# Altium PCB INVERTER.PcbDoc
Units mil, origin at the board's own origin, x right, y up, seen from the top; angles counter-clockwise.
Board outline 12330 x 4035 mil, 2 copper layers (Top Layer, Bottom Layer); 179 components, 132 nets, 625 pads, 0 vias.
Unrouted connection lines stored in the file: 330.
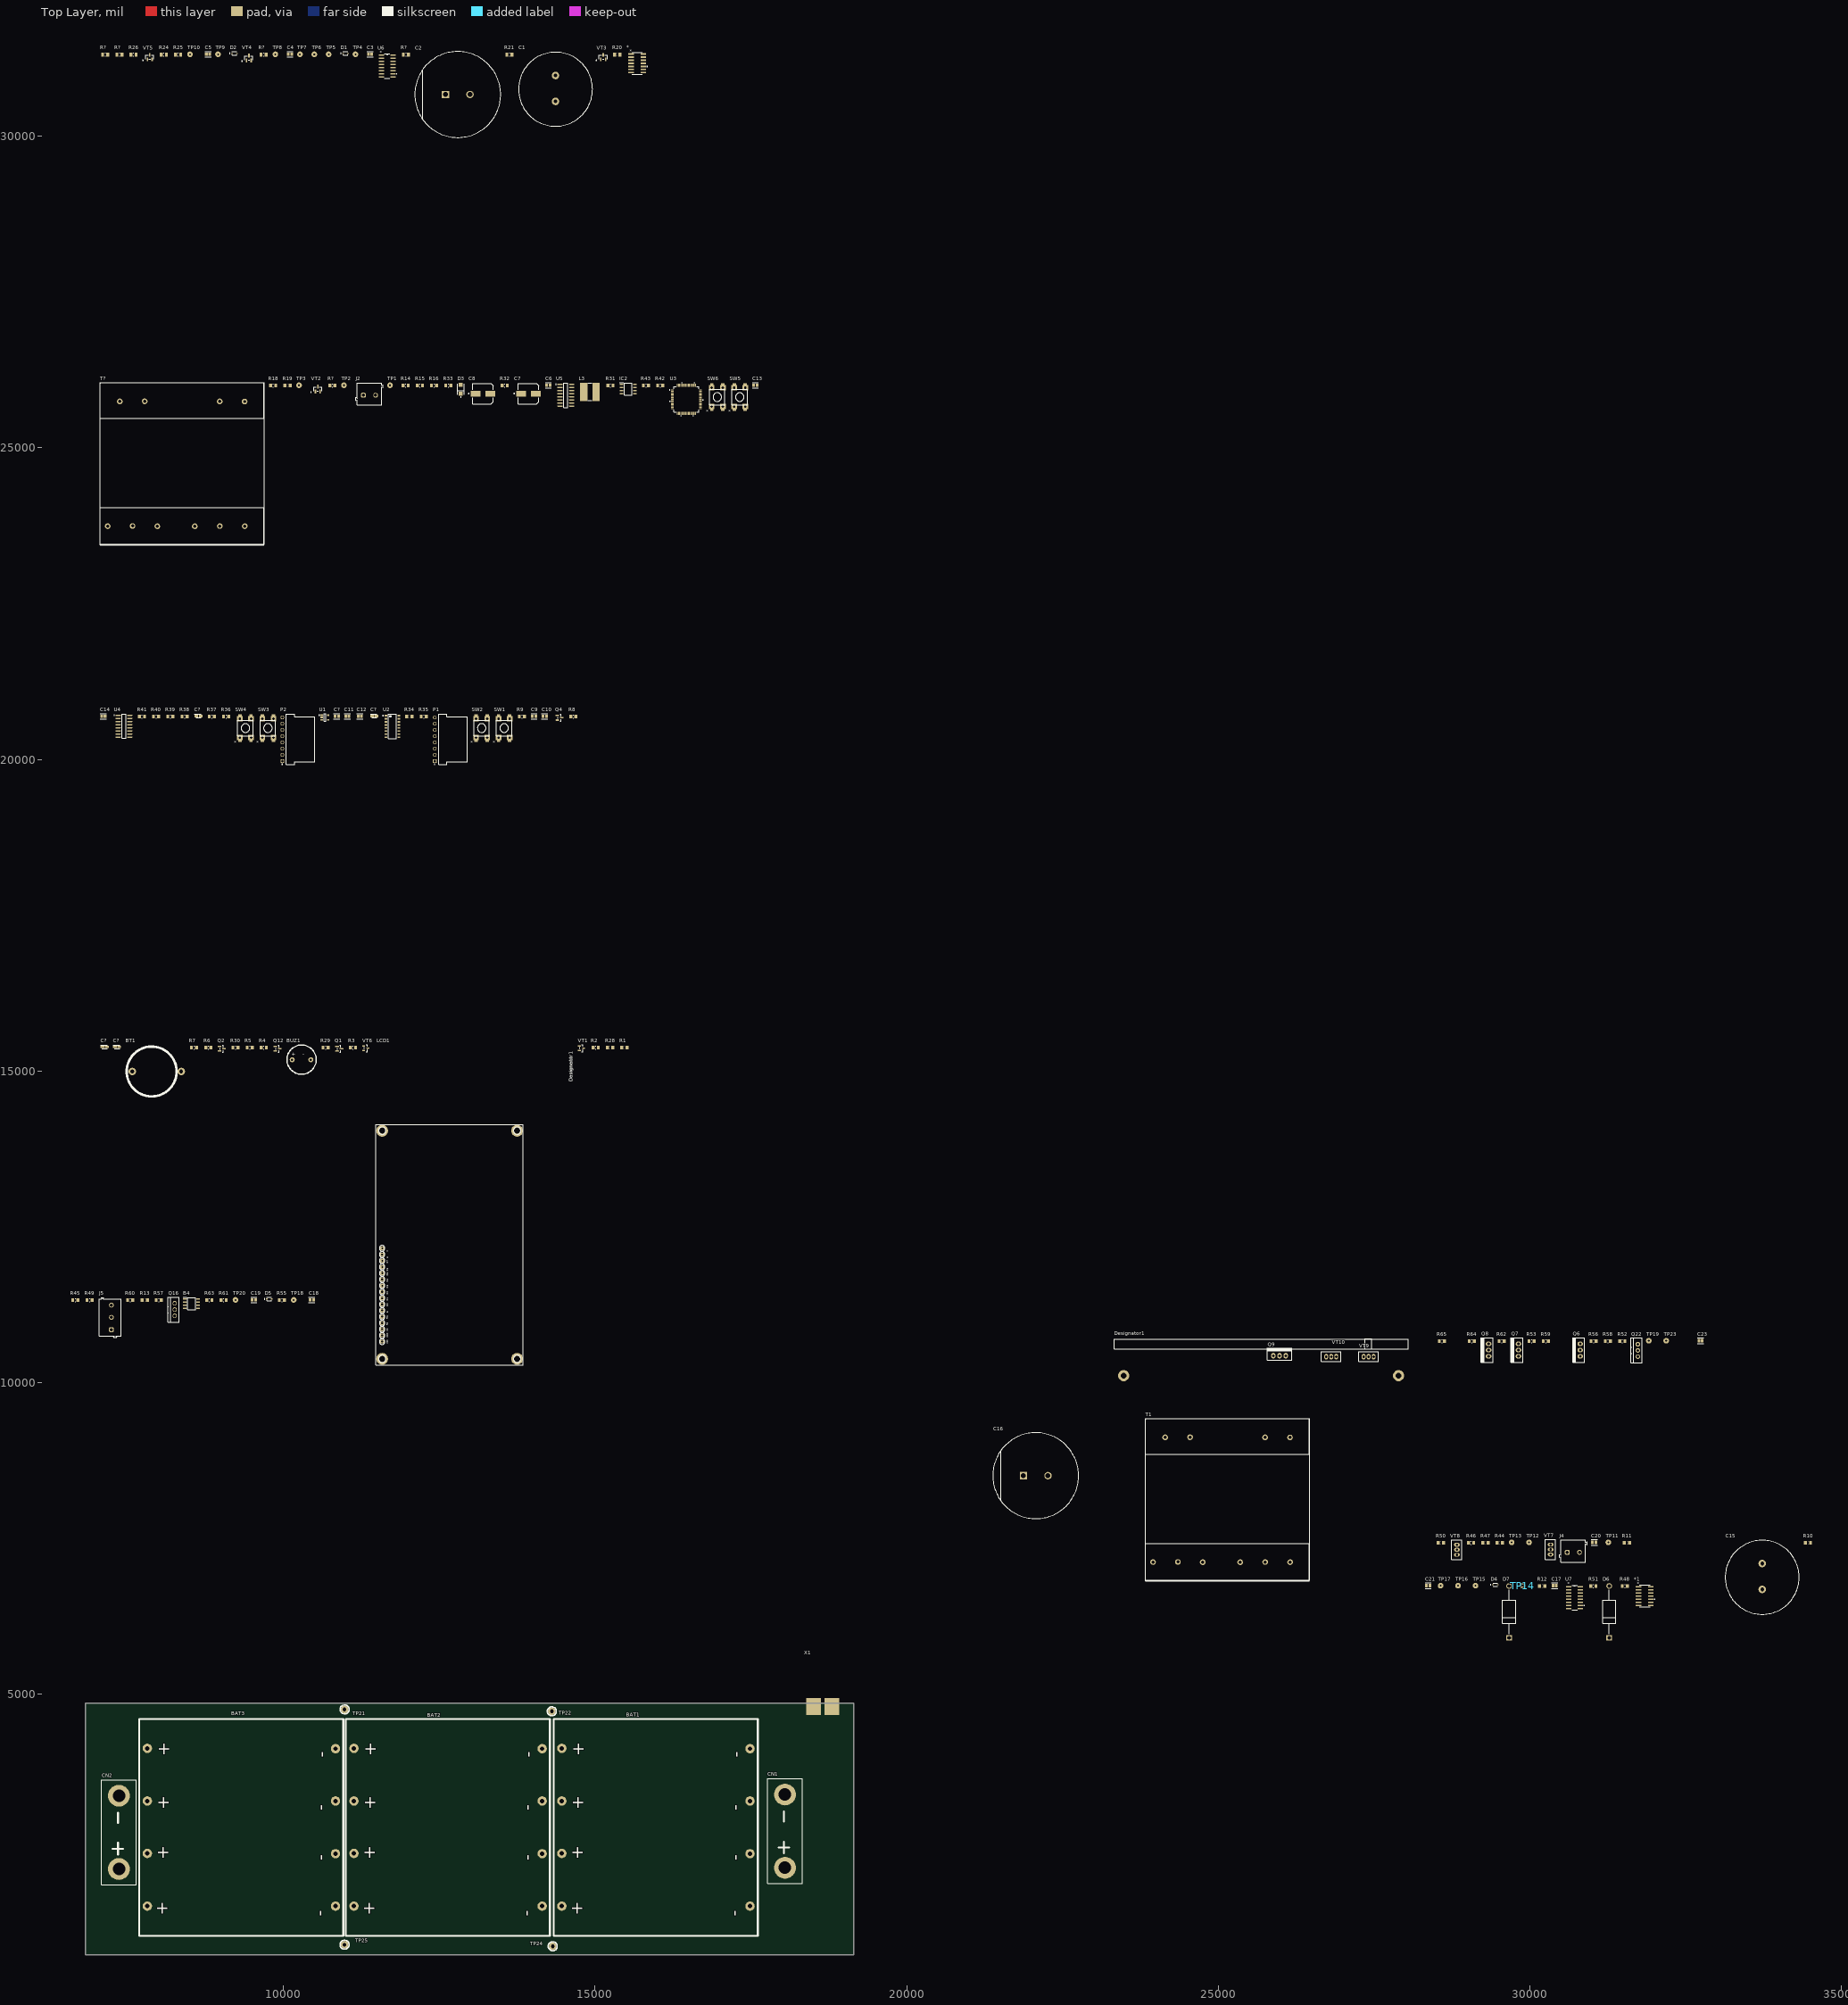
[diagram p0: Top Layer view]
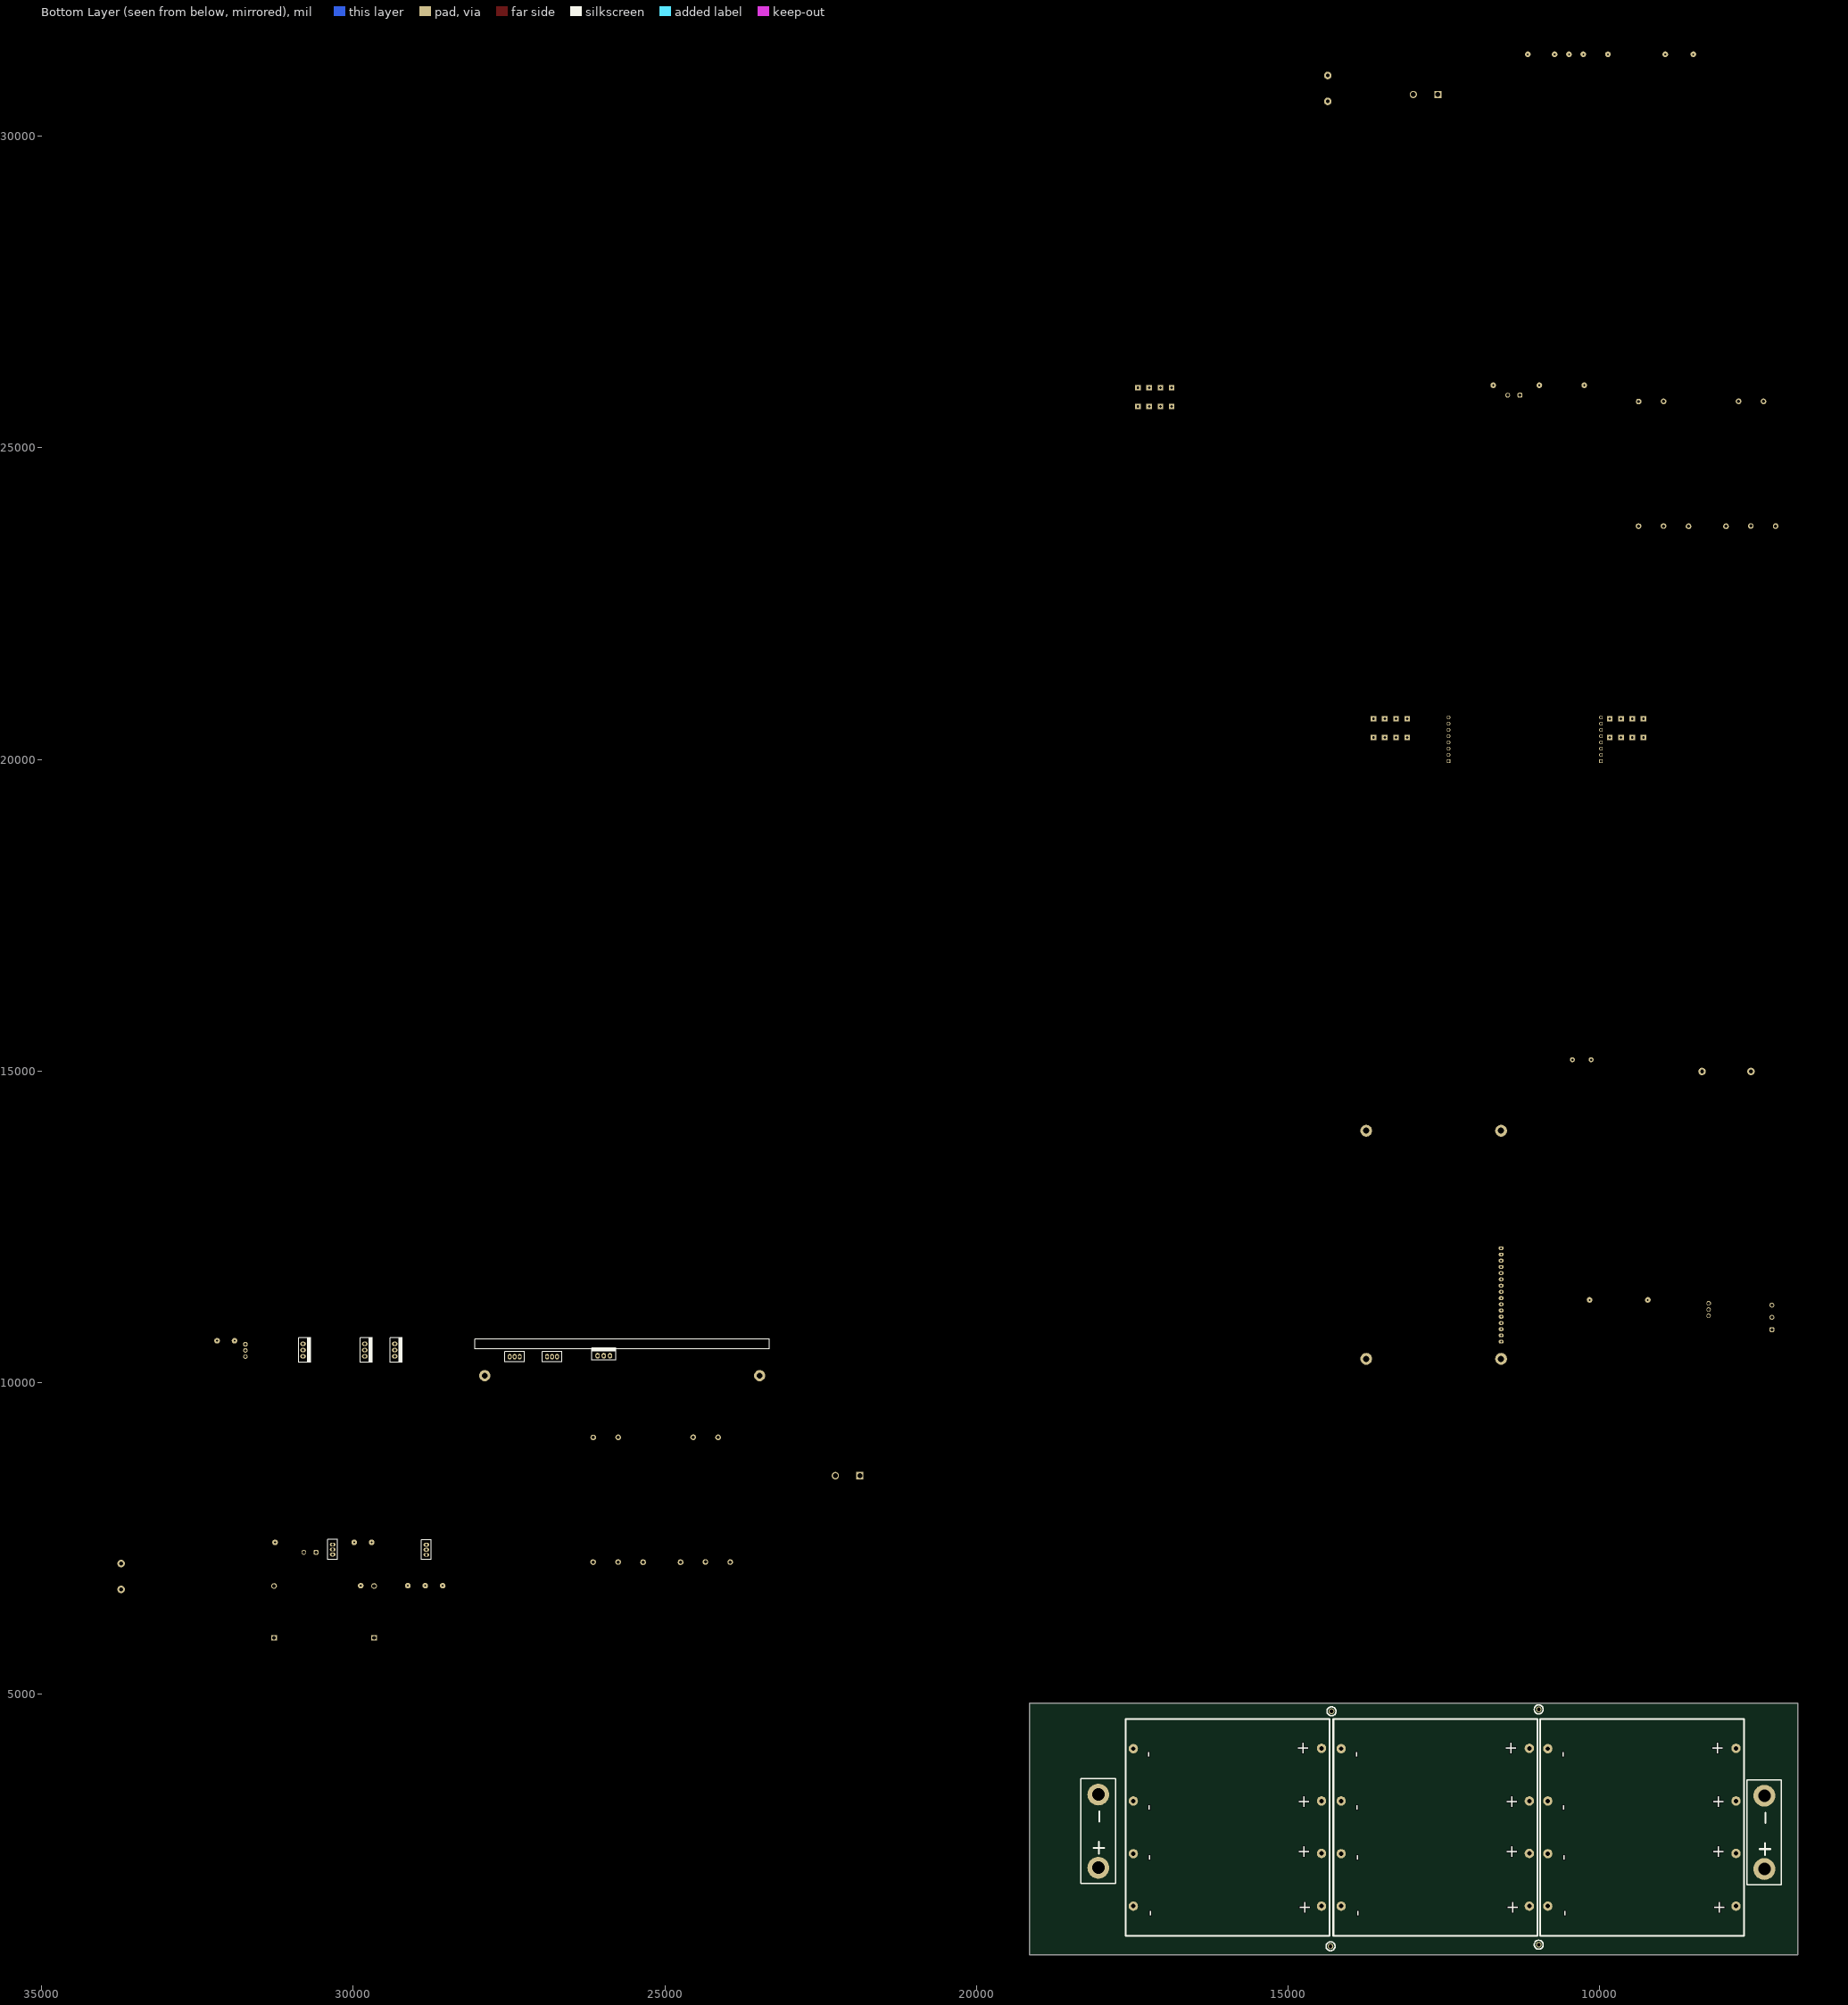
[diagram p1: Bottom Layer view, seen from below]

## Layer stack, top to bottom
Top Solder: solder mask 0.4, Solder Resist, Dk 3.5
Top Layer: signal copper 1.4
Dielectric 1: dielectric 12.6, FR-4, Dk 4.8
Bottom Layer: signal copper 1.4
Bottom Solder: solder mask 0.4, Solder Resist, Dk 3.5

## Board outline
6820,825 6820,4860 19150,4860 19150,825

## Design rules (kind name [scope] priority, off if disabled: settings)
Clearance [All] p1: gap=10 ignorepadtopadclearanceinfootprint=FALSE except(0: Arc-Hole Track-Hole SMDPad-Hole THPad-Hole Via-Hole Fill-Hole Poly-Hole Region-Hole Text-Hole)
Height [All] p1: minheight=0 maxheight=10000 prefheight=5000
PolygonConnect [All] p1: connectstyle=Relief reliefconductorwidth=10 reliefentries=4 polygonreliefangle="90 Angle" airgapwidth=10
RoomDefinition Inverter [InComponentClass('Inverter')] p1: confinementstyle=ConfineIn formatcopy=TRUE lockcomponents=FALSE outline 21976,6150 34511,6150 34511,11650 21976,11650
RoomDefinition Logger [InComponentClass('Logger')] p2: confinementstyle=ConfineIn formatcopy=TRUE lockcomponents=FALSE outline 7045,10280 17690,10280 17690,31470 7045,31470
RoomDefinition Batarey [InComponentClass('Batarey')] p3: confinementstyle=ConfineIn formatcopy=TRUE lockcomponents=FALSE outline 6315,235 19920,235 19920,5445 6315,5445
RoutingVias [All] p1: holewidth=28 width=50 viastyle="Through Hole" minholewidth=28 minwidth=50 maxholewidth=28 maxwidth=50
SolderMaskExpansion [All] p1: expansion=4 istentingtop=FALSE
Width [All] p1: maxlimit=10 minlimit=10 preferedwidth=10
29 further rules are at their usual default settings.

## Classes and differential pairs
component class Logger: * BT1 BUZ1 C1 C2 C3 C4 C5 C6 C7 C8 C9 C10 C11 C12 C13 C14 C? D1 D2 D3 IC1 IC2 J2 J3 L1 L2 L3 LCD1 LED1 LED2 LED3 LED4 P1 P2 Q1 Q2 Q3 Q4 Q5 Q10 Q11 Q12 Q? R1 R2 R3 R4 R5 R6 R7 R8 R9 R14 R15 R16 R17 R18 R19 R20 R21 R22 R23 R24 R25 R26 R27 R28 R29 R30 R31 R32 R33 R34 R35 R36 R37 R38 R39 R40 R41 R42 R43 R? SW1 SW2 SW3 SW4 SW5 SW6 T? TP1 TP2 TP3 TP4 TP5 TP6 TP7 TP8 TP9 TP10 U1 U2 U3 U4 U5 U6 VD1 VT1 VT2 VT3 VT4 VT5 VT6
component class Batarey: BAT1 BAT2 BAT3 CN1 CN2 TP21 TP22 TP24 TP25 X1
component class Inverter: *1 B4 C15 C16 C17 C18 C19 C20 C21 C23 D4 D5 D6 D7 IC? J4 J5 J? L? Q6 Q7 Q8 Q9 Q16 Q22 Q? R10 R11 R12 R13 R44 R45 R46 R47 R48 R49 R50 R51 R52 R53 R55 R56 R57 R58 R59 R60 R61 R62 R63 R64 R65 T1 TP11 TP12 TP13 TP14 TP15 TP16 TP17 TP18 TP19 TP20 TP23 U7 VD? VT7 VT8 VT9 VT10

## Components (designator, comment, footprint, x,y, rotation, side; value= is the part's Value field where it differs from the comment)
* "LM324AD_SOIC14" D14-M 15675,31170 r0 top
*1 "LM324AD_SOIC14" D14-M 31839.63,6580 r0 top
B4 "IR2101SPBF" SOIC127P600X175-8N 8524.63,11270 r0 top
BAT1 "21700_Bat" 21700_BAT 15295,2070 r90 top
BAT2 "21700_Bat" 21700_BAT 11960,2070 r90 top
BAT3 "21700_Bat" 21700_BAT 8645,2070 r90 top
BT1 "CR2032_BAT" CR2032_BAT 7885,14995 r0 top
BUZ1 "BUZZER" BUZZER 10300,15280 r0 top
C1 "Cap_Vishay_MAL219390101E3_eec" "CAP 330uF 450V" 14010,30990 r0 top value=220μF
C2 "Cap_Vishay_MAL219390101E3_eec" Vishay_MAL219390101E3_0 12795,30670 r0 top value=220μF
C3 "100n" KEMET_C0805C-DN_IPC_C 11390,31315 r0 top
C4 "1000pF" KEMET_C0805C-DN_IPC_C 10105,31315 r0 top
C5 "1uF" KEMET_C0805C-DN_IPC_C 8790,31315 r0 top
C6 "470pF" KEMET_C0805C-DN_IPC_C 14250,26005 r0 top
C7 "470uF" Nichicon_0_MFG 13930,25870 r0 top
C8 "470uF" Nichicon_0_MFG 13200,25870 r0 top
C9 "0,1uF" KEMET_C0805C-DN_IPC_C 14020,20695 r0 top
C10 "0,1uF" KEMET_C0805C-DN_IPC_C 14190,20695 r0 top
C11 "0,1uF" KEMET_C0805C-DN_IPC_C 11025,20695 r0 top
C12 "0,1uF" KEMET_C0805C-DN_IPC_C 11225,20695 r0 top
C13 "0,1uF" KEMET_C0805C-DN_IPC_C 17570,26005 r0 top
C14 "0,1uF" KEMET_C0805C-DN_IPC_C 7110,20695 r0 top
C15 "Cap_Vishay_MAL219390101E3_eec" "CAP 330uF 450V" 33369.63,7115 r0 top value=220μF
C16 "Cap_Vishay_MAL219390101E3_eec" Vishay_MAL219390101E3_0 22069.15,8510 r0 top value=220μF
C17 "100n" KEMET_C0805C-DN_IPC_C 30394.63,6745 r0 top
C18 "1000pF" KEMET_C0805C-DN_IPC_C 10454.63,11330 r0 top
C19 "1uF" KEMET_C0805C-DN_IPC_C 9524.63,11330 r0 top
C20 "1uF" KEMET_C0805C-DN_IPC_C 31029.63,7440 r0 top
C21 "0.01uF" KEMET_C0805C-DN_IPC_C 28364.63,6745 r0 top
C23 "1uF" KEMET_C0805C-DN_IPC_C 32734.63,10675 r0 top
C? "TAJR225K016RNJ" CAPPM2014X140N 11460,20700 r0 top
C? "470pF" KEMET_C0805C-DN_IPC_C 10855,20695 r0 top
C? "2.2uF" CAPPM2014X140N 7330,15390 r0 top
C? "2.2uF" CAPPM2014X140N 7130,15390 r0 top
C? "TAJR225K016RNJ" CAPPM2014X140N 8635,20700 r0 top
CN1 "BAT_CON" Batarey_connector 18025,2200 r90 top
CN2 "BAT_CON" Batarey_connector 7340,2180 r90 top
D1 "1N4148W-7-F" Diodes_Inc._SOD323F_MFG 10995,31330 r0 top
D2 "1N4148W-7-F" Diodes_Inc._SOD323F_MFG 9215,31330 r0 top
D3 "Diode_Vishay_SS16-E3-61T_eec" Vishay_SS16-E3-61T_0 12845,25940 r90 top
D4 "1N4148W-7-F" Diodes_Inc._SOD323F_MFG 29444.63,6760 r0 top
D5 "1N4148W-7-F" Diodes_Inc._SOD323F_MFG 9774.63,11345 r0 top
D6 "1N5408-E3-54" Vishay_Semiconductor_0_Recommended_Land_Pattern 31269.63,6325 r90 top
D7 "1N5408-E3-54" Vishay_Semiconductor_0_Recommended_Land_Pattern 29664.63,6325 r90 top
Designator1 "Comment" PCBComponent_1 25870,10595 r180 top
IC2 "MC34063ABD-TR" SOIC127P600X175-8N 15530,25945 r0 top
J2 "691101710002" 691101710002 11380,25865 r0 top
J4 "691101710002" 691101710002 30694.63,7300 r0 top
J5 "691101710003" 691101710003 7219.63,11050 r90 top
L3 "7445720" WE-PD2-L 14915,25900 r0 top
LCD1 "LCD" LCD20x4 10230,23120 r90 top
P1 "61900811021" 61900811021 12720,20325 r90 top
P2 "61900811021" 61900811021 10275,20325 r90 top
Q1 "SBC847BLT1G" On_Semiconductor_318-08_IPC_B 10895,15360 r0 top
Q2 "SBC847BLT1G" On_Semiconductor_318-08_IPC_B 9010,15360 r0 top
Q4 "SBC847BLT1G" On_Semiconductor_318-08_IPC_B 14430,20670 r0 top
Q6 "IRF740PBF" MOSFET_BEND_rad 30759.63,10520 r90 top
Q7 "IRF740PBF" MOSFET_BEND_rad 29769.63,10520 r90 top
Q8 "IRF740PBF" MOSFET_BEND_rad 29289.63,10520 r90 top
Q9 "IRF740PBF" MOSFET_BEND_rad 25975,10480 r0 top
Q12 "SBC847BLT1G" On_Semiconductor_318-08_IPC_B 9905,15360 r0 top
Q16 "IRF740PBF" TO-220 8254.63,11175 r90 top
Q22 "IRF740PBF" TO-220 31729.63,10520 r90 top
R1 "10k" Vishay_CRCW0805-e3_IPC_A 15470,15380 r0 top
R2 "300" Vishay_CRCW0805-e3_IPC_A 15010,15380 r0 top
R3 "1k" Vishay_CRCW0805-e3_IPC_A 11115,15380 r0 top
R4 "10k" Vishay_CRCW0805-e3_IPC_A 9685,15380 r0 top
R5 "1k" Vishay_CRCW0805-e3_IPC_A 9460,15380 r0 top
R6 "10k" Vishay_CRCW0805-e3_IPC_A 8795,15380 r0 top
R7 "300" Vishay_CRCW0805-e3_IPC_A 8565,15380 r0 top
R8 "1k" Vishay_CRCW0805-e3_IPC_A 14650,20690 r0 top
R9 "10k" Vishay_CRCW0805-e3_IPC_A 13825,20690 r0 top
R10 "10k" Vishay_CRCW0805-e3_IPC_A 34459.63,7435 r0 top
R11 "22" Vishay_CRCW0805-e3_IPC_A 31554.63,7435 r0 top
R12 "1M" Vishay_CRCW0805-e3_IPC_A 30194.63,6740 r0 top
R13 "10" Vishay_CRCW0805-e3_IPC_A 7774.63,11325 r0 top
R14 "10k" Vishay_CRCW0805-e3_IPC_A 11960,26000 r0 top
R15 "10k" Vishay_CRCW0805-e3_IPC_A 12190,26000 r0 top
R16 "10k" Vishay_CRCW0805-e3_IPC_A 12415,26000 r0 top
R18 "22" Vishay_CRCW0805-e3_IPC_A 9835,26000 r0 top
R19 "22" Vishay_CRCW0805-e3_IPC_A 10065,26000 r0 top
R20 "22" Vishay_CRCW0805-e3_IPC_A 15355,31310 r0 top
R21 "10k" Vishay_CRCW0805-e3_IPC_A 13625,31310 r0 top
R24 "22" Vishay_CRCW0805-e3_IPC_A 8080,31310 r0 top
R25 "22" Vishay_CRCW0805-e3_IPC_A 8310,31310 r0 top
R26 "10k" Vishay_CRCW0805-e3_IPC_A 7595,31310 r0 top
R28 "10k" Vishay_CRCW0805-e3_IPC_A 15240,15380 r0 top
R29 "1k" Vishay_CRCW0805-e3_IPC_A 10675,15380 r0 top
R30 "10k" Vishay_CRCW0805-e3_IPC_A 9230,15380 r0 top
R31 "0.33" Vishay_CRCW0805-e3_IPC_A 15245,26000 r0 top
R32 "3.6k" Vishay_CRCW0805-e3_IPC_A 13550,26000 r0 top
R33 "1.2k" Vishay_CRCW0805-e3_IPC_A 12645,26000 r0 top
R34 "10k" Vishay_CRCW0805-e3_IPC_A 12020,20690 r0 top
R35 "10k" Vishay_CRCW0805-e3_IPC_A 12250,20690 r0 top
R36 "300" Vishay_CRCW0805-e3_IPC_A 9080,20690 r0 top
R37 "300" Vishay_CRCW0805-e3_IPC_A 8850,20690 r0 top
R38 "300" Vishay_CRCW0805-e3_IPC_A 8415,20690 r0 top
R39 "10k" Vishay_CRCW0805-e3_IPC_A 8185,20690 r0 top
R40 "10k" Vishay_CRCW0805-e3_IPC_A 7955,20690 r0 top
R41 "300" Vishay_CRCW0805-e3_IPC_A 7730,20690 r0 top
R42 "10k" Vishay_CRCW0805-e3_IPC_A 16045,26000 r0 top
R43 "10k" Vishay_CRCW0805-e3_IPC_A 15815,26000 r0 top
R44 "22" Vishay_CRCW0805-e3_IPC_A 29514.63,7435 r0 top
R45 "10k" Vishay_CRCW0805-e3_IPC_A 6659.63,11325 r0 top
R46 "22" Vishay_CRCW0805-e3_IPC_A 29054.63,7435 r0 top
R47 "22" Vishay_CRCW0805-e3_IPC_A 29284.63,7435 r0 top
R48 "22" Vishay_CRCW0805-e3_IPC_A 31519.63,6740 r0 top
R49 "10k" Vishay_CRCW0805-e3_IPC_A 6889.63,11325 r0 top
R50 "10k" Vishay_CRCW0805-e3_IPC_A 28569.63,7435 r0 top
R51 "22" Vishay_CRCW0805-e3_IPC_A 31014.63,6740 r0 top
R52 "22" Vishay_CRCW0805-e3_IPC_A 31479.63,10670 r0 top
R53 "22" Vishay_CRCW0805-e3_IPC_A 30024.63,10670 r0 top
R55 "22" Vishay_CRCW0805-e3_IPC_A 9974.63,11325 r0 top
R56 "22" Vishay_CRCW0805-e3_IPC_A 31019.63,10670 r0 top
R57 "10" Vishay_CRCW0805-e3_IPC_A 7999.63,11325 r0 top
R58 "22" Vishay_CRCW0805-e3_IPC_A 31249.63,10670 r0 top
R59 "10k" Vishay_CRCW0805-e3_IPC_A 30254.63,10670 r0 top
R60 "10" Vishay_CRCW0805-e3_IPC_A 7539.63,11325 r0 top
R61 "22" Vishay_CRCW0805-e3_IPC_A 9039.63,11325 r0 top
R62 "22" Vishay_CRCW0805-e3_IPC_A 29544.63,10670 r0 top
R63 "10k" Vishay_CRCW0805-e3_IPC_A 8809.63,11325 r0 top
R64 "22" Vishay_CRCW0805-e3_IPC_A 29064.63,10670 r0 top
R65 "10k" Vishay_CRCW0805-e3_IPC_A 28584.63,10670 r0 top
R? "10k" Vishay_CRCW0805-e3_IPC_A 7140,31310 r0 top
R? "22" Vishay_CRCW0805-e3_IPC_A 7370,31310 r0 top
R? "22" Vishay_CRCW0805-e3_IPC_A 10785,26000 r0 top
R? "22" Vishay_CRCW0805-e3_IPC_A 11965,31310 r0 top
R? "22" Vishay_CRCW0805-e3_IPC_A 9680,31310 r0 top
SW1 "4-1437565-2" SW4_FSM-5P23_TEC 13540,20505 r90 top
SW2 "4-1437565-2" SW4_FSM-5P23_TEC 13180,20505 r90 top
SW3 "4-1437565-2" SW4_FSM-5P23_TEC 9750,20505 r90 top
SW4 "4-1437565-2" SW4_FSM-5P23_TEC 9390,20505 r90 top
SW5 "4-1437565-2" SW4_FSM-5P23_TEC 17320,25815 r90 top
SW6 "4-1437565-2" SW4_FSM-5P23_TEC 16960,25815 r90 top
T1 "750311457" Transformer 21317,7679 r0 top
T? "750311457" Transformer 4545,24300 r0 top
TP1 "Test_Point_PCB" Test_Point 11710,26005 r0 top
TP2 "Test_Point_PCB" Test_Point 10970,26005 r0 top
TP3 "Test_Point_PCB" Test_Point 10250,26005 r0 top
TP4 "Test_Point_PCB" Test_Point 11155,31315 r0 top
TP5 "Test_Point_PCB" Test_Point 10725,31315 r0 top
TP6 "Test_Point_PCB" Test_Point 10495,31315 r0 top
TP7 "Test_Point_PCB" Test_Point 10265,31315 r0 top
TP8 "Test_Point_PCB" Test_Point 9870,31315 r0 top
TP9 "Test_Point_PCB" Test_Point 8950,31315 r0 top
TP10 "Test_Point_PCB" Test_Point 8500,31315 r90 top
TP11 "Test_Point_PCB" Test_Point 31254.63,7440 r90 top
TP12 "Test_Point_PCB" Test_Point 29984.63,7440 r90 top
TP13 "Test_Point_PCB" Test_Point 29704.63,7440 r90 top
TP14 "Test_Point_PCB" Test_Point 29879.63,6745 r90 top
TP15 "Test_Point_PCB" Test_Point 29124.63,6745 r90 top
TP16 "Test_Point_PCB" Test_Point 28844.63,6745 r90 top
TP17 "Test_Point_PCB" Test_Point 28564.63,6745 r90 top